# Allegro board hdk2_0-hmd-2-pvt-l8-0526p1530.brd (continued)
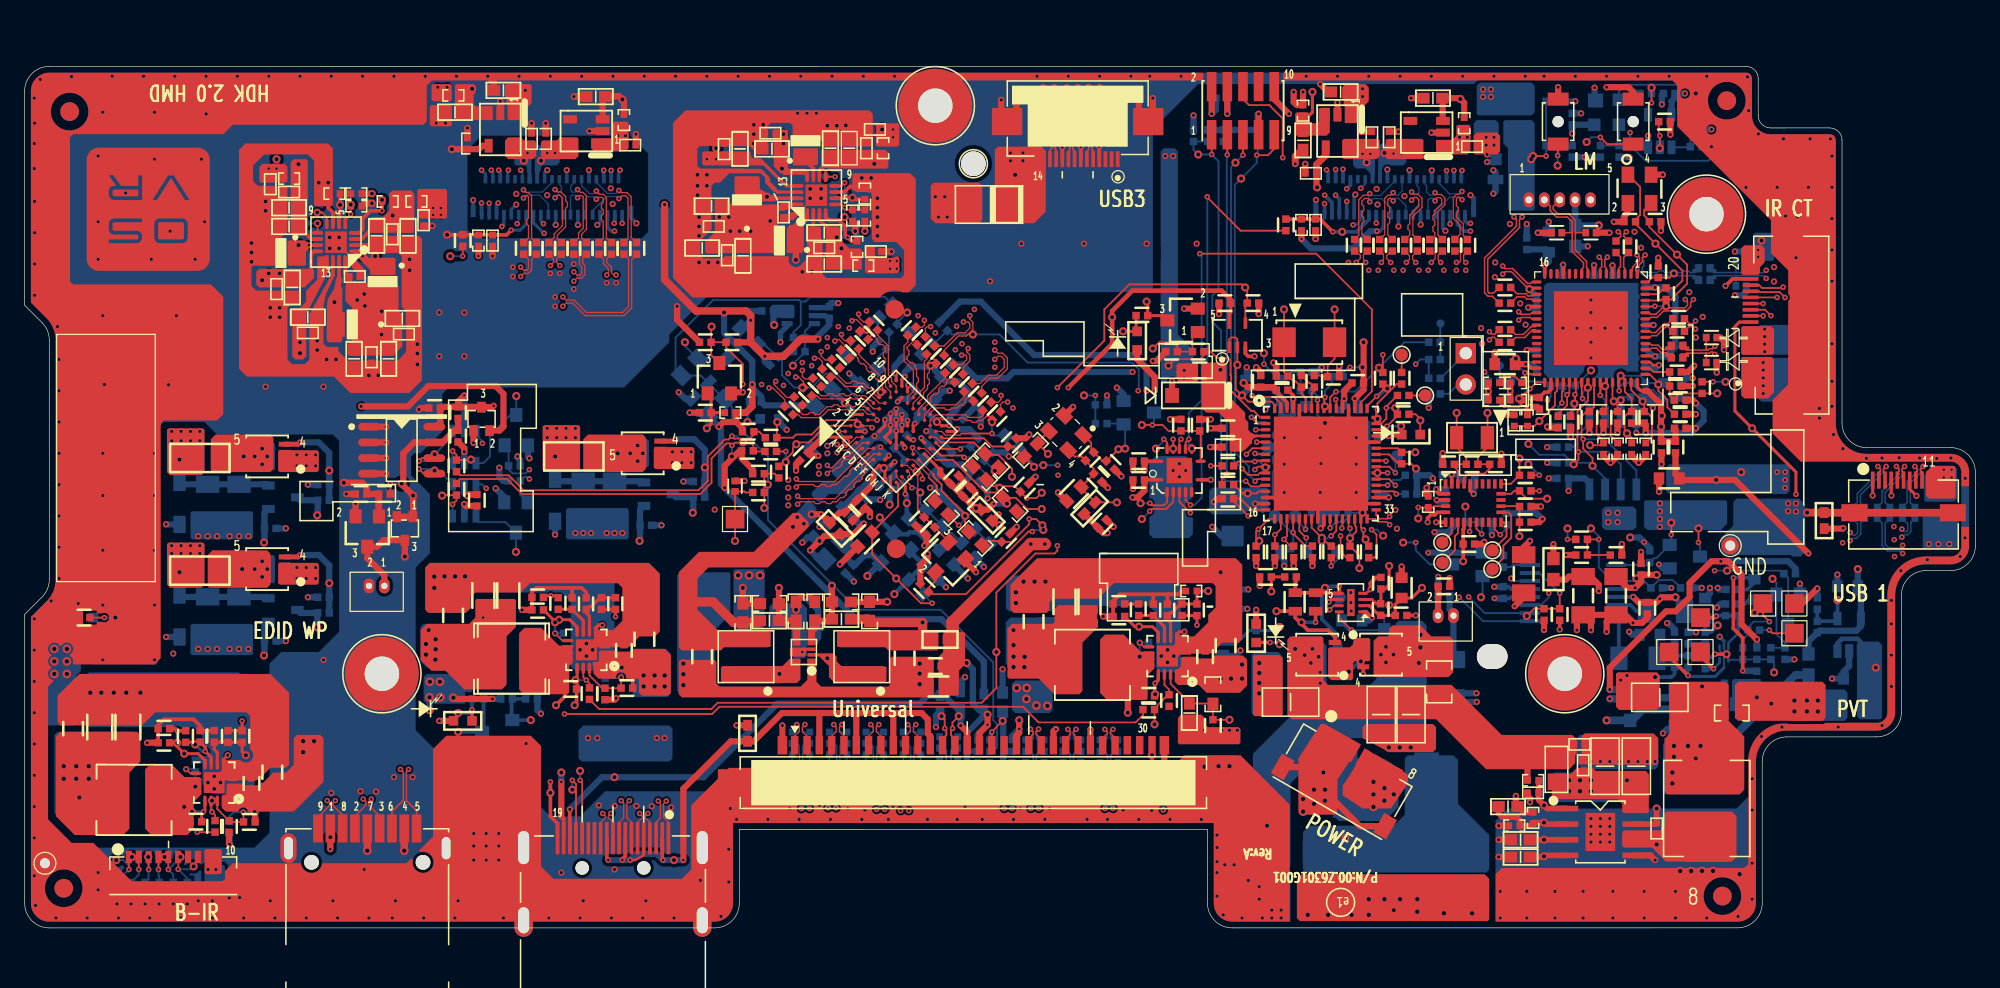
[diagram p0: board, top side]
## Routing (per net, layer and track width the routed paths; a pad name or vN(x,y) marks a point on that pad's centre or on a via; arc(x,y) is an arc through that point) (continued)
DET1_5V: length 88.4
  TOP w0.508: 57.73,41.12 58.25,40.59 R764.1 ; 57.73,41.12 R1154.2 ; 57.73,41.12 57.68,41.06 56.71,41.06 v4(56.33,40.68) ; v4(56.82,35.73) 56.82,37.51 58.04,38.73 R763.1 58.2,38.11 59.09,37.22 R765.1 ; D11.1 v4(36.43,39.37)
  TOP w0.559: v4(59.05,44.11) 59.05,42.33 58.54,41.83 R1154.2
  L4_IN2 w0.508: v4(56.82,35.73) 56.18,35.1 39.87,35.1 36.43,38.54 v4(36.43,39.37)
  BOTTOM w0.508: R745.1 60.07,42.42 R781.2 59.78,43.13 59.05,43.86 v4(59.05,44.11) 59.05,46.02 56.77,48.3 v1(56.77,49.95) 56.89,50.08 R770.1 ; FB4.2 77.85,21.63 74.42,25.06 67.46,25.06 56.82,35.71 v4(56.82,35.73) 56.51,36.04 56.51,40.51 v4(56.33,40.68) 56.33,40.7 55.47,41.56 R743.2
EDID_SW: length 9.5
  TOP w0.152: U111.1 97.77,47.78 97.91,47.92 98.29,47.92 98.42,47.8 98.42,47.13 U111.2 98.42,45.7 v1(98.42,45.7) 98.29,45.57 98.29,43.73 99.31,42.72 101.2,42.72 101.45,42.46 U12.64
EN_1_8V: length 47.7
  TOP w0.152: v4(48.41,20.34) R127.1 48.4,19.46 C72.2 46.87,19.46 45.84,20.49 U16.15 ; R25.2 v2(14.01,7.77)
  L4_IN2 w0.152: v4(48.41,20.34) 46.52,18.46 40.89,18.46 38.78,16.35 26.8,16.35 22.72,12.27 18.7,12.27 14.2,7.77 v2(14.01,7.77)
  BOTTOM w0.152: v1(48.46,21.13) 48.46,20.39 v4(48.41,20.34) 48.34,20.27 R197.2
EN_1V2: length 7.6
  TOP w0.152: U29.15 93.01,19.81 94.54,18.28 C838.2 96.41,18.22 R851.2 R210.2 v1(97.79,16.9)
EN_3_3V: length 84.4
  TOP w0.152: U4.15 15.63,9.66 C5.2 16.68,8.61 R19.1 17.77,9.37 v2(17.74,9.39) ; v2(43.81,17.37) 55.8,17.37 56.38,17.95 81.02,17.95 82.29,16.68 90.17,16.68 90.76,17.28 R202.2
  L6_IN3 w0.152: v2(17.74,9.39) 19.38,9.39 26.16,16.17 42.62,16.17 v2(43.81,17.37)
  BOTTOM w0.152: R196.2 16.63,9.06 16.96,9.39 v2(17.74,9.39) 17.75,9.4 v1(18.67,9.4)
ENV_INT: length 7.5
  TOP w0.152: v2(111.25,35.93) 110.75,36.44 U12.38 ; U41.4 114.4,34.24 114.3,34.13 R568.2 v2(113.1,34.13)
  L4_IN2 w0.152: v2(111.25,35.93) 113.05,34.13 v2(113.1,34.13)
  BOTTOM w0.152: v2(113.1,34.13) v1(113.1,33.24)
FPGA2DAC_PCS: length 9.1
  TOP w0.152: v2(127.76,31.54) R85.1 R331.2 R340.1
  BOTTOM w0.152: U36.10 128.2,28.82 127.76,29.25 v2(127.76,31.54) 127.76,31.79 v1(127.12,32.43)
GPIO8: length 4.8
  TOP w0.152: U46.36 124.87,43.64 124.76,43.53 v2(124.76,42.61)
  BOTTOM w0.152: v1(125.78,42.56) 125.78,42.03 R582.1 R572.2 124.48,42.33 v2(124.76,42.61)
GPIO9: length 5.9
  TOP w0.152: U46.35 124.37,43.6 124.2,43.43 124.2,42.41 v1(122.93,41.14) 122.53,40.73 R583.1 R573.2
GPIO10: length 6.3
  TOP w0.152: U46.33 122.69,44.27 v2(122.17,43.76) 121.48,43.07 R578.1 121.48,42.54 121.26,42.31 120.04,42.31 119.71,42.64 R574.2
  BOTTOM w0.152: v1(121.28,42.97) 122.07,43.76 v2(122.17,43.76)
GPIO11: length 5.8
  TOP w0.152: U46.32 122.19,44.93 122.05,45.07 v2(121.76,45.07) 121.76,44.37 121.64,44.24 R579.1 121.13,44.6 121.13,44.6 120.96,44.77 120.04,44.77 119.71,44.44 R575.2
  BOTTOM w0.152: v2(121.76,45.07) 121.03,45.81 v1(121.03,46.22)
HDMI_A_INT: length 40.7
  TOP w0.152: v2(81.78,32.17) 81.48,32.17 76.4,27.09 73.53,27.09 R1152.2 73.35,27.6 73.93,28.18 73.93,28.89 ; U12.28 106.95,32.5 v2(106.9,32.45)
  L3_IN1 w0.152: v2(106.9,32.45) 105.93,33.42 100.3,33.42 99.21,32.33 98.73,32.33 97.96,31.57 85.06,31.57 84.45,32.17 v2(81.78,32.17)
  BOTTOM w0.152: v2(81.78,32.17) 81.91,32.3 v1(82.67,32.3)
HDMI_A_SCL: length 24.2
  TOP w0.102: U57.K4 72.87,36.79 v2(72.87,36.44)
  TOP w0.152: v2(91.33,34.48) 91.49,34.31 92.48,34.31 92.72,34.55 U55.2
  L4_IN2 w0.152: v2(91.33,34.48) 91.16,34.31 83.64,34.31 82.27,35.68 81.2,35.68 80.13,36.75 73.17,36.75 v2(72.87,36.44)
  BOTTOM w0.152: v2(91.33,34.48) v1(90.56,34.48)
HDMI_A_SDA: length 25.5
  TOP w0.102: v2(71.83,36.54) 71.83,36.91 U57.K3
  TOP w0.152: v2(91.31,33.83) 91.49,34 92.63,34 93.22,34.6 U55.3
  L4_IN2 w0.152: v2(91.31,33.83) 91.13,34 83.49,34 82.11,35.38 81.05,35.38 79.98,36.44 73.53,36.44 73.1,36.01 72.36,36.01 v2(71.83,36.54)
  BOTTOM w0.152: v2(91.31,33.83) v1(90.67,33.19)
HDMI_D5V: length 57.3
  TOP w0.152: C1112.2 R1153.2 56.93,47.12 58.29,45.76 v2(58.29,44.14) ; C1112.2 55.71,48.77 v1(55.75,48.81) ; C1112.2 55.71,46.53 Q42.3 ; v2(99.56,41.45) 100.07,40.94 U12.2
  L4_IN2 w0.152: v2(99.56,41.45) 99.01,41.45 98.37,42.08 90.93,42.08 86.36,37.51 84.6,37.51 83.97,38.14 82.67,38.14 80.26,40.56 78.48,40.56 77.72,41.32 74.93,41.32 72.95,43.3 59.15,43.3 58.31,44.14 v2(58.29,44.14)
  BOTTOM w0.152: v2(99.56,41.45) 99.95,41.06 100.71,41.06
HDMI_EDID_PWR: length 96.7
  TOP w0.305: U111.5 97.77,49.85 97.88,49.95 C1111.2
  TOP w0.381: C1111.2 97.88,51.01 97.15,51.73 89.91,51.73 88.26,50.08 v1(88.26,49.57) 88.26,47.41 v2(84.71,43.86)
  TOP w0.508: U65.8 33.4,40.68 33.74,41.03 C1009.2 33.83,42.3 R1087.1 ; R1087.1 35.18,42.72 v2(35.68,43.22) ; R1087.1 37.05,42.3 D11.3 37.95,42.27 v2(38.07,42.39) ; 35.95,35.08 36.05,35.18 C1010.2
  TOP w0.559: 35.95,35.08 v4(35.94,35.07)
  L3_IN1 w0.381: v2(84.71,43.86) 81.78,40.94 78.61,40.94 73.05,46.5 69.92,46.5 66.42,43 64.13,43 63.67,42.54 38.22,42.54 v2(38.07,42.39)
  L4_IN2 w0.61: v2(38.07,42.39) 37.23,43.22 v2(35.68,43.22) 35.68,41.22 33.96,39.49 33.96,37.81 35.94,35.83 v4(35.94,35.07)
  BOTTOM w0.508: v2(35.68,43.22) U64.5
  BOTTOM w0.559: U66.5 35.68,35.32 v4(35.94,35.07)
HDMI_EDID_SW: length 84.2
  TOP w0.152: U111.4 99.07,50.57 R1146.1 99.22,51.82 v1(99.06,51.99) 98.8,52.24 89.66,52.24 87.63,50.21 87.63,47.67 v2(83.82,43.86)
  L3_IN1 w0.152: v2(83.82,43.86) 81.4,41.45 78.86,41.45 73.35,46.96 69.77,46.96 66.42,43.6 63.98,43.6 63.37,43 37.73,43 37.16,42.42 v2(37.16,39.34) 37.16,35.98 v2(37.46,35.68)
  BOTTOM w0.152: U66.6 37.13,36.01 v2(37.46,35.68) ; v2(37.16,39.34) 37.16,39.49 36.63,40.01 U64.6
HDMI_HDPHN_LEFT: length 3.4
  TOP w0.305: v2(137.07,21.04) 137.05,21.04 136.01,22.08 TP42.1
  BOTTOM w0.203: v2(137.07,21.04) 137.56,21.53 U33.5
  BOTTOM w0.305: R235.2 v2(137.07,21.04)
HDMI_HDPHN_RIGHT: length 8.3
  TOP w0.305: TP39.1 133.47,22.01 v2(135,20.49)
  BOTTOM w0.152: U33.1 137.56,22.52 137.92,22.17 137.92,21.13
  BOTTOM w0.254: R259.2 v2(135,20.49) 135.07,20.41 137.21,20.41 137.92,21.13
HDMI_HPD: length 44.1
  TOP w0.152: v2(110.23,46.53) R62.2
  L3_IN1 w0.152: v2(90.37,43.6) 90.37,43.27 90.8,42.84 98.27,42.84 99.34,43.91 104.37,43.91 104.82,44.37 108.94,44.37 110.23,45.66 v2(110.23,46.53)
  BOTTOM w0.152: v2(90.37,43.6) 90.42,43.66 90.42,45.36 89.89,45.89 81.4,45.89 79.12,48.18 v1(76.96,48.18) 75.26,48.18 74.95,48.48 R1156.2 73.85,47.46 D16.1
HDMI_INT: length 8.1
  TOP w0.102: U57.J3 71.64,37.54 72.49,36.7 72.49,35.58
  TOP w0.152: 72.49,35.58 72.49,33.83 R795.2 73.05,33.32 R1151.2 74.74,31.63 Q41.3
HOTPLUG_DET1: length 4.2
  BOTTOM w0.152: v1(53.59,47.54) 53.59,47.24 R746.2 54.75,46.29 57.04,46.29
HOTPLUG_DET1_R: length 72.1
  BOTTOM w0.152: 62.99,50.84 62.99,48.94 62.39,48.34 R1149.2 ; 62.99,50.84 62.86,50.97 55.88,50.97 52.83,47.92 52.83,45.31 R746.1 54.89,44.84 ESD22.1 55.49,44.22 R743.1 57.4,42.31 57.4,41.19 60.32,38.27 v1(60.32,35.98) 60.32,33.11 67.61,25.82 74.34,25.82 78.61,21.55 78.61,16.86 78.91,16.55 78.91,14.65 78.61,14.34 R611.2 ; 62.99,50.84 63.37,50.84 63.75,51.22 69.8,51.22 R1155.2
HOTPLUG_DET1_R_A: length 3.1
  TOP w0.152: v1(79.37,16.81) 78.5,15.93 v2(78.5,15.9) J1.17
  BOTTOM w0.152: v2(78.5,15.9) 78.3,15.71 R611.1
HOTPLUG_DET1_R_B: length 43.1
  TOP w0.305: J28.19 43.25,8.48 42.67,9.06 v2(42.67,11.85)
  L4_IN2 w0.305: v2(78.13,12.79) 77.42,13.51 73.78,13.51 73.02,12.74 55.11,12.74 54.86,13 43.81,13 v2(42.67,11.85)
  BOTTOM w0.305: v1(42.67,10.97) v2(42.67,11.85) ; R630.2 78.3,12.97 v2(78.13,12.79)
IOVCC_COM_L: length 14.4
  TOP w0.508: R700.1 v2(36.83,54.53)
  L3_IN1 w0.508: v2(42.11,57.17) 40.97,56.03 38.33,56.03 v2(36.83,54.53)
  L6_IN3 w0.508: v2(42.11,57.17) 41.78,57.5 41.78,59.99 43.05,61.26 v2(43.05,62.91)
  BOTTOM w0.254: v2(42.11,57.17) 41.9,57.38 J20.17
  vias: v1(41.91,62.27) v2(42.41,62.91)
IOVCC_COM_R: length 19
  TOP w0.508: R825.1 v2(103.63,55.92)
  L6_IN3 w0.508: v2(109.75,56.56) 110.11,56.56 111.5,57.96 112.39,57.96 113.41,58.97 113.41,61.77 112.32,62.86 v2(111.73,62.86)
  BOTTOM w0.305: J71.17 110.3,56.88 109.98,56.56 v2(109.75,56.56)
  BOTTOM w0.508: v2(103.63,55.92) 104.39,55.16 107.82,55.16 109.22,56.56 v2(109.75,56.56)
  vias: v1(110.36,62.91) v2(111.1,62.86)
LCD1_CLKN_L: length 49.8
  TOP w0.104: v2(64.1,46.24) 64.46,46.24 64.74,45.97 R1110.2 ; R1130.2 45.58,54.69 45.28,54.4 45.28,53.94 45.46,53.76 45.46,53.02 45.19,52.75 44.82,52.75 v2(44.57,52.5)
  L3_IN1 w0.097: v2(64.1,46.24) 64.1,46.6 63.67,47.03 62.1,47.03 61.72,46.65 60.85,46.65 60.47,47.03 59.41,47.03 58.78,46.4 56.74,46.4 56.62,46.27 46.73,46.27 46.48,46.02 41.17,46.02 40.89,46.29 40.89,46.89 41.17,47.16 45.59,47.16 45.72,47.29 45.72,47.67 45.59,47.8 41.17,47.8 40.89,48.07 40.89,48.68 41.14,48.94 45.21,48.94 45.46,49.19 45.46,52.64 45.36,52.75 44.82,52.75 v2(44.57,52.5)
LCD1_CLKN_T_COM_L: length 6.8
  TOP w0.104: R1130.1 45.58,55.63 45.21,56 45.21,56.3 45.59,56.69 45.59,59.43 45.31,59.71 45.1,59.71 v2(44.88,59.94)
  BOTTOM w0.104: v2(44.88,59.94) 44.67,59.73 44.45,59.73 44.32,59.86 44.32,60.24 44.6,60.52 J20.26
LCD1_CLKP_L: length 49.7
  TOP w0.104: R1131.1 44.74,54.69 45.03,54.4 45.03,53.84 45.21,53.66 45.21,53.13 45.08,53 44.83,53 v2(44.57,53.26) ; v2(64.64,46.78) 64.64,46.43 64.97,46.09 65.45,46.09 R1111.2
  L3_IN1 w0.097: v2(64.64,46.78) 64.28,46.78 63.78,47.29 61.99,47.29 61.61,46.91 60.96,46.91 60.58,47.29 59.31,47.29 58.67,46.65 56.64,46.65 56.51,46.53 46.63,46.53 46.37,46.27 41.27,46.27 41.14,46.4 41.14,46.78 41.27,46.91 45.69,46.91 45.97,47.18 45.97,47.77 45.69,48.05 41.27,48.05 41.14,48.18 41.14,48.58 41.25,48.68 45.31,48.68 45.72,49.09 45.72,52.75 45.46,53 44.83,53 v2(44.57,53.26)
LCD1_CLKP_T_COM_L: length 6.8
  TOP w0.104: R1131.2 44.95,56.01 44.95,56.41 45.34,56.79 45.34,59.32 45.2,59.45 45.05,59.45 v2(44.88,59.28)
  BOTTOM w0.104: v2(44.88,59.28) 44.67,59.48 44.42,59.48 44.3,59.36 J20.25
LCD1_DATAN0_L: length 49.2
  TOP w0.104: R1114.2 68.07,49.19 67.69,49.57 v2(67.69,49.83) ; R1127.1 46.99,54.31 46.99,53.91 47.37,53.53 47.37,53.13 v2(47.25,53)
  L3_IN1 w0.097: v2(67.69,49.83) 67.33,49.83 66.95,50.21 53.59,50.21 52.57,49.19 47.73,49.19 47.62,49.3 47.62,49.72 47.73,49.83 52.04,49.83 52.32,50.1 52.32,50.72 52.07,50.97 47.73,50.97 47.62,51.08 47.62,51.48 47.75,51.61 50.52,51.61 50.8,51.88 50.8,52.49 50.54,52.75 49,52.75 48.76,52.98 48.76,53.28 49,53.51 50.52,53.51 50.8,53.79 50.8,54.38 50.52,54.65 48.28,54.65 47.49,53.87 47.49,53.25 v2(47.25,53)
LCD1_DATAN0_T_COM_L: length 6.9
  TOP w0.104: R1127.2 46.62,55.63 46.96,55.97 46.96,57.35 46.81,57.5 46.81,57.81 46.96,57.96 46.96,58.27 46.81,58.42 46.81,58.74 46.96,58.89 46.96,59.2 46.86,59.3 46.55,59.3 46.4,59.15 v2(46.4,59.15)
  BOTTOM w0.104: J20.29 45.5,59.14 45.72,59.35 46.2,59.35 v2(46.4,59.15)
LCD1_DATAN1_L: length 49.7
  TOP w0.104: R1132.1 42.92,54.31 42.92,54.01 v2(42.67,53.76) ; v2(66.29,48.18) 66.29,47.92 66.54,47.67 R1112.2
  L3_IN1 w0.097: v2(66.29,48.18) 65.93,48.18 65.53,48.58 65.53,48.94 65.15,49.32 63.88,49.32 63.5,48.94 63.5,48.3 63.37,48.18 62.99,48.18 62.86,48.3 62.86,49.07 62.61,49.32 61.97,49.32 61.72,49.07 61.72,48.56 61.59,48.43 59.03,48.43 58.14,49.32 54.1,49.32 53.84,49.07 53.84,48.43 54.1,48.18 57.68,48.18 57.78,48.07 57.78,47.67 57.65,47.54 53.46,47.54 53.34,47.67 53.34,48.05 53.08,48.3 52.45,48.3 52.19,48.05 52.19,47.54 52.07,47.41 51.69,47.41 51.56,47.54 51.56,48.05 51.3,48.3 50.69,48.3 50.42,48.03 50.42,47.52 50.31,47.41 49.91,47.41 49.78,47.54 49.78,48.05 49.53,48.3 48.91,48.3 48.64,48.03 48.64,47.54 48.51,47.41 48,47.41 47.88,47.54 47.88,48.05 47.62,48.3 46.78,48.3 46.61,48.48 46.61,54.15 46.1,54.65 43.07,54.65 42.8,54.38 42.8,53.89 v2(42.67,53.76)
LCD1_DATAN1_T_COM_L: length 7
  TOP w0.104: R1132.2 42.97,56.06 42.97,56.33 43.65,57.01 43.65,59.26 43.41,59.5 43.27,59.5 v2(43.05,59.28)
  BOTTOM w0.104: J20.23 43.7,58.29 43.6,58.39 43.6,59.34 43.48,59.45 43.22,59.45 v2(43.05,59.28)
LCD1_DATAN2_L: length 48.2
  TOP w0.104: v2(62.58,44.72) 62.81,44.72 63.22,44.32 R1108.2 ; v2(43.68,50.46) 43.94,50.72 44.47,50.72 45.48,49.7 48.64,49.7 49.27,50.34 49.27,54.27 49.65,54.65 R1126.2
  L3_IN1 w0.097: v2(43.68,50.46) 43.91,50.69 44.45,50.69 44.57,50.56 44.57,49.95 44.45,49.83 42.67,49.83 42.41,50.08 42.41,50.97 42.16,51.22 41.42,51.22 41.14,50.95 41.14,49.96 41.01,49.83 40.38,49.83 39.87,49.32 39.87,45.76 40.51,45.13 56.89,45.13 57.27,45.51 62.12,45.51 62.58,45.05 v2(62.58,44.72)
LCD1_DATAN2_T_COM_L: length 7.7
  TOP w0.104: R1126.1 49.22,56.06 49.22,59.35 48.89,59.68 48.41,59.68 v2(48.23,59.86)
  BOTTOM w0.104: v2(48.23,59.86) 47.99,59.62 47.3,59.62 46.55,60.37 46.4,60.52 J20.32
LCD1_DATAN3_L: length 46.9
  TOP w0.104: R1106.2 61.69,42.87 60.73,43.83 v2(60.42,43.83) ; v2(40.26,52.88) 40.5,53.13 40.87,53.13 41.14,53.41 41.14,54.27 41.53,54.65 R1134.2
  L3_IN1 w0.097: v2(60.42,43.83) 60.42,44.19 59.99,44.62 57.78,44.62 57.4,44.24 40,44.24 38.86,45.38 38.86,50.97 38.73,51.1 38.33,51.1 38.22,50.99 38.22,49.07 37.92,48.76 37.39,48.76 37.08,49.07 37.08,51.72 37.6,52.24 41.55,52.24 41.78,52.47 41.78,52.9 41.55,53.13 40.5,53.13 v2(40.26,52.88)
LCD1_DATAN3_T_COM_L: length 7.8
  TOP w0.104: R1134.1 41.51,55.63 41.14,56 41.14,59.43 40.89,59.69 40.71,59.69 v2(40.48,59.91)
  BOTTOM w0.104: v2(40.48,59.91) 40.66,59.73 42.01,59.73 42.8,60.52 J20.20
LCD1_DATAP0_L: length 49.2
  TOP w0.104: v2(48,53) 47.81,53 47.62,53.19 47.62,53.64 47.24,54.02 47.24,54.31 R1128.2 ; R1115.2 68.07,48.71 68.07,48.83 67.53,49.37 67.23,49.37 v2(67.15,49.29)
  L3_IN1 w0.097: v2(48,53) 47.75,53.26 47.75,53.76 48.38,54.4 50.42,54.4 50.54,54.27 50.54,53.89 50.42,53.76 48.89,53.76 48.51,53.38 48.51,52.88 48.89,52.49 50.44,52.49 50.54,52.39 50.54,51.99 50.42,51.86 47.64,51.86 47.37,51.58 47.37,50.97 47.62,50.72 51.96,50.72 52.07,50.61 52.07,50.21 51.94,50.08 47.62,50.08 47.37,49.83 47.37,49.19 47.62,48.94 52.68,48.94 53.7,49.95 66.85,49.95 67.15,49.65 v2(67.15,49.29)
LCD1_DATAP0_T_COM_L: length 6.9
  TOP w0.104: R1128.1 47.61,55.63 47.21,56.03 47.21,59.3 46.96,59.56 46.65,59.56 v2(46.4,59.81)
  BOTTOM w0.104: v2(46.4,59.81) 46.2,59.61 45.84,59.61 45.2,60.25 J20.28
LCD1_DATAP1_L: length 49.7
  TOP w0.104: v2(65.75,47.64) 65.87,47.76 66.1,47.76 66.54,47.31 66.54,47.19 R1113.2 ; R1133.2 43.18,54.31 43.18,54.02 v2(43.43,53.76)
  L3_IN1 w0.097: v2(43.43,53.76) 43.3,53.76 43.05,54.02 43.05,54.27 43.18,54.4 45.99,54.4 46.35,54.04 46.35,48.38 46.68,48.05 47.52,48.05 47.62,47.94 47.62,47.44 47.9,47.16 48.62,47.16 48.89,47.44 48.89,47.92 49.02,48.05 49.42,48.05 49.53,47.94 49.53,47.44 49.8,47.16 50.42,47.16 50.67,47.41 50.67,47.92 50.8,48.05 51.2,48.05 51.3,47.94 51.3,47.44 51.58,47.16 52.17,47.16 52.45,47.44 52.45,47.94 52.55,48.05 52.98,48.05 53.08,47.94 53.08,47.56 53.36,47.29 57.76,47.29 58.04,47.56 58.04,48.18 57.78,48.43 54.2,48.43 54.1,48.54 54.1,48.96 54.2,49.07 58.04,49.07 58.92,48.18 61.7,48.18 61.97,48.45 61.97,48.96 62.08,49.07 62.5,49.07 62.61,48.96 62.61,48.2 62.88,47.92 63.47,47.92 63.75,48.2 63.75,48.83 63.98,49.07 65.04,49.07 65.27,48.83 65.27,48.48 65.75,48 v2(65.75,47.64)
LCD1_DATAP1_T_COM_L: length 7
  TOP w0.104: v2(43.05,59.94) 43.23,59.75 43.52,59.75 43.91,59.36 43.91,59.02 44.06,58.87 44.06,58.56 43.91,58.41 43.91,56.91 43.23,56.23 43.23,55.96 R1133.1
  BOTTOM w0.104: v2(43.05,59.94) 43.27,59.71 43.46,59.71 43.56,59.81 43.56,60.21 43.4,60.37 J20.22
LCD1_DATAP2_L: length 48.2
  TOP w0.104: R1129.1 49.02,54.31 49.02,50.44 48.53,49.95 45.59,49.95 44.57,50.97 43.94,50.97 v2(43.68,51.22) ; R1109.2 63.92,44.57 63.32,44.57 63.12,44.78 v2(63.12,45.26)
  L3_IN1 w0.097: v2(63.12,45.26) 62.73,45.26 62.23,45.76 57.17,45.76 56.79,45.38 40.61,45.38 40.13,45.87 40.13,49.21 40.49,49.57 41.11,49.57 41.4,49.86 41.4,50.84 41.53,50.97 42.06,50.97 42.16,50.87 42.16,49.98 42.56,49.57 44.55,49.57 44.83,49.85 44.83,50.67 44.55,50.95 43.96,50.95 v2(43.68,51.22)
LCD1_DATAP2_T_COM_L: length 7.7
  TOP w0.104: v2(48.23,59.2) 48.46,59.43 48.79,59.43 48.97,59.25 48.97,55.96 R1129.2
  BOTTOM w0.104: J20.31 46.1,58.21 47.25,59.37 48.06,59.37 v2(48.23,59.2)
LCD1_DATAP3_L: length 46.9
  TOP w0.104: R1135.1 40.51,54.68 40.89,54.3 40.89,53.51 40.76,53.38 40.51,53.38 v2(40.26,53.64) ; R1107.2 62.41,43.06 61.86,43.06 60.83,44.09 60.83,44.24 v2(60.96,44.37)
  L3_IN1 w0.097: v2(60.96,44.37) 60.6,44.37 60.09,44.87 57.68,44.87 57.3,44.49 40.11,44.49 39.11,45.49 39.11,51.08 38.84,51.35 38.22,51.35 37.97,51.1 37.97,49.17 37.81,49.01 37.49,49.01 37.33,49.17 37.33,51.61 37.71,51.99 41.65,51.99 42.03,52.37 42.03,53 41.65,53.38 40.51,53.38 v2(40.26,53.64)
LCD1_DATAP3_T_COM_L: length 7.8
  TOP w0.104: v2(40.48,59.25) 40.66,59.43 40.79,59.43 40.89,59.33 40.89,57.63 40.74,57.48 40.74,57.16 40.89,57.01 40.89,56.01 R1135.2
  BOTTOM w0.104: v2(40.48,59.25) 40.71,59.48 41.78,59.48 42.5,58.76 J20.19
LCD2_CLKN_R: length 50.8
  TOP w0.104: R1140.2 113.03,54.93 112.65,54.55 112.65,54.27 v2(112.9,54.02) ; v2(76.04,46.5) 76.37,46.5 76.45,46.41 76.45,46.12 76.04,45.71 R1120.2
  L3_IN1 w0.097: v2(112.9,54.02) 112.65,53.77 112.65,52.77 111.15,51.28 87.96,51.28 87.63,50.95 87.63,49.34 87.35,49.07 86.1,49.07 85.98,48.94 85.98,48.43 86.1,48.3 87.35,48.3 87.63,48.03 87.63,47.31 87.35,47.03 81,47.03 80.77,46.8 80.77,45.66 79.86,44.75 77.97,44.75 76.4,46.32 76.22,46.5 v2(76.04,46.5)
LCD2_CLKN_T_COM_R: length 6.7
  TOP w0.104: v2(112.57,59.73) 112.57,59.73 112.75,59.56 113.08,59.56 113.41,59.23 113.41,58.49 112.67,57.75 112.67,56.24 R1140.1
  BOTTOM w0.102: 113,60.24 J71.26
  BOTTOM w0.104: v2(112.57,59.73) 112.77,59.53 113.02,59.53 113.15,59.67 113.15,60.09 113,60.24
LCD2_CLKP_R: length 50.8
  TOP w0.104: v2(112.14,54.02) 112.39,54.27 112.39,54.56 R1141.1 ; v2(76.58,47.03) 76.45,46.9 76.45,46.78 76.57,46.65 76.7,46.52 76.7,46.02 76.15,45.46 R1121.2
  L3_IN1 w0.097: v2(112.14,54.02) 112.39,53.77 112.39,52.88 111.05,51.53 87.85,51.53 87.37,51.05 87.37,49.45 87.25,49.32 86,49.32 85.72,49.04 85.72,48.33 86,48.05 87.25,48.05 87.37,47.92 87.37,47.41 87.25,47.29 80.9,47.29 80.51,46.91 80.51,45.76 79.75,45 78.08,45 76.55,46.53 76.55,47.01 v2(76.58,47.03)
LCD2_CLKP_T_COM_R: length 6.7
  TOP w0.104: R1141.2 112.05,55.89 112.42,56.25 112.42,56.57 112.27,56.72 112.27,57.03 112.42,57.18 112.42,57.85 113.15,58.59 113.15,59.12 112.97,59.3 112.79,59.3 v2(112.57,59.07)
  BOTTOM w0.102: 112.9,58.46 112.7,58.26 J71.25
  BOTTOM w0.104: 112.9,58.46 113.13,58.69 113.13,59.15 113,59.28 112.77,59.28 v2(112.57,59.07)
LCD2_DATAN0_R: length 49.6
  TOP w0.104: v2(79.24,43.22) 79.24,42.9 79.02,42.67 R1124.2 ; R1137.1 114.26,54.95 114.47,54.73 114.47,54.32 v2(114.17,54.02)
  L3_IN1 w0.097: v2(79.24,43.22) 79.65,43.22 82.7,46.27 88.01,46.27 88.52,46.78 88.52,49.72 89.25,50.46 91.94,50.46 92.33,50.08 92.33,49.57 91.94,49.19 91.08,49.19 90.93,49.04 90.93,48.59 91.08,48.43 93.87,48.43 96.11,50.67 111.96,50.67 114.42,53.13 114.42,53.77 v2(114.17,54.02)
LCD2_DATAN0_T_COM_R: length 6.7
  TOP w0.104: v2(114.47,59.02) 114.47,59.15 114.61,59.28 114.88,59.28 115.01,59.15 115.01,58.79 114.45,58.24 114.45,57.98 114.3,57.83 114.3,57.51 114.45,57.36 114.45,57.05 114.3,56.9 114.3,56.59 114.45,56.44 114.45,56.09 114.25,55.89 R1137.2
  BOTTOM w0.102: J71.29 113.9,58.46
  BOTTOM w0.104: 113.9,58.46 113.9,59.08 114.04,59.23 114.27,59.23 v2(114.47,59.02)
LCD2_DATAN1_R: length 50.8
  TOP w0.104: R1142.1 110.91,54.95 110.54,54.58 110.54,54.35 v2(110.87,54.02) ; v2(78.74,46.15) 78.99,46.4 79.27,46.4 79.5,46.17 79.5,45.49 78.89,44.87 78.23,44.87 77.54,44.19 R1122.2
  L3_IN1 w0.097: v2(110.87,54.02) 110.62,53.77 110.62,52.75 110,52.14 86.87,52.14 86.48,51.75 86.48,50.72 85.85,50.08 81.52,50.08 81.28,49.84 81.28,49.56 81.52,49.32 84.46,49.32 84.83,48.95 84.83,48.42 84.46,48.05 80.04,48.05 79.75,47.77 79.75,46.78 79.37,46.4 78.99,46.4 v2(78.74,46.15)
LCD2_DATAN1_T_COM_R: length 6.3
  TOP w0.104: R1142.2 110.64,56.24 110.64,57.11 110.79,57.26 110.79,57.57 110.64,57.72 110.64,58.03 110.79,58.18 110.79,58.49 110.64,58.64 110.64,59.12 110.74,59.23 110.87,59.23 v2(111.07,59.02)
  BOTTOM w0.102: 112.1,58.46 J71.23
  BOTTOM w0.104: v2(111.07,59.02) 111.27,59.23 111.5,59.23 112.1,58.63 112.1,58.46
LCD2_DATAN2_R: length 49.5
  TOP w0.104: R1136.2 116.42,54.95 116.53,54.83 116.53,54.12 116.43,54.02 v2(116.21,54.02) ; R1118.2 74.62,47.24 75.68,48.3 76.32,48.3 76.7,48.68 76.7,49.07 76.64,49.13 76.58,49.19 v2(76.2,49.19)
  L3_IN1 w0.097: v2(76.2,49.19) 76.6,49.19 76.85,48.94 77.34,48.94 82.29,53.89 106.17,53.89 107.06,54.78 116.33,54.78 116.46,54.65 116.46,54.27 v2(116.21,54.02)
LCD2_DATAN2_T_COM_R: length 7.4
  TOP w0.104: R1136.1 116.51,56.32 116.51,57.04 115.95,57.6 115.95,59.28 116.22,59.55 116.43,59.55 v2(116.66,59.78)
  BOTTOM w0.102: 114.93,60.29 114.8,60.42 J71.32
  BOTTOM w0.104: 114.93,60.29 115.64,59.58 116.46,59.58 v2(116.66,59.78)
LCD2_DATAN3_R: length 48.5
  TOP w0.104: R1144.2 108.06,54.95 108.4,54.6 108.4,54.34 v2(108.08,54.02) ; v2(73.02,49.32) 73.02,48.94 72.85,48.76 R1116.2
  L3_IN1 w0.097: v2(73.02,49.32) 73.4,49.32 74.16,50.08 74.67,50.08 75.05,49.7 75.05,48.43 75.38,48.1 77.64,48.1 80.77,51.22 84.96,51.22 85.12,51.39 85.12,51.82 84.96,51.99 82.78,51.99 82.42,52.35 82.42,52.88 82.8,53.26 108.07,53.26 108.33,53.51 108.33,53.77 v2(108.08,54.02)
LCD2_DATAN3_T_COM_R: length 7.2
  TOP w0.104: R1144.1 108.28,56.22 108.28,59.1 108.66,59.48 109.04,59.48 v2(109.17,59.61)
  BOTTOM w0.102: J71.20 111.2,60.62 110.82,60.24
  BOTTOM w0.104: 110.82,60.24 110.03,59.45 109.32,59.45 v2(109.17,59.61)
LCD2_DATAP0_R: length 49.6
  TOP w0.104: v2(114.93,54.02) 114.73,54.22 114.73,54.62 R1139.2 ; v2(79.78,42.69) 79.4,42.69 79.2,42.49 R1125.2
  L3_IN1 w0.097: v2(79.78,42.69) 79.78,43 82.8,46.02 88.11,46.02 88.77,46.67 88.77,49.62 89.36,50.21 91.84,50.21 92.07,49.98 92.07,49.68 91.84,49.45 90.98,49.45 90.67,49.14 90.67,48.48 90.98,48.18 93.98,48.18 96.21,50.41 112.07,50.41 114.68,53.02 114.68,53.77 v2(114.93,54.02)
LCD2_DATAP0_T_COM_R: length 6.7
  TOP w0.104: v2(114.47,59.68) 114.47,59.68 114.62,59.53 114.98,59.53 115.26,59.25 115.26,58.69 114.7,58.13 114.7,56.24 R1139.1
  BOTTOM w0.102: 113.79,60.24 113.6,60.43 J71.28
  BOTTOM w0.104: v2(114.47,59.68) 114.27,59.48 114.04,59.48 113.79,59.73 113.79,60.24
LCD2_DATAP1_R: length 50.8
  TOP w0.104: R1123.2 77.67,43.96 78.33,44.62 78.99,44.62 79.75,45.38 79.75,46.27 79.37,46.65 78.99,46.65 v2(78.74,46.91) ; R1143.2 110.28,54.64 110.28,54.19 v2(110.11,54.02)
  L3_IN1 w0.097: v2(78.74,46.91) 78.99,46.65 79.27,46.65 79.5,46.89 79.5,47.87 79.93,48.3 84.36,48.3 84.58,48.52 84.58,48.85 84.36,49.07 81.41,49.07 81.02,49.46 81.02,49.95 81.41,50.34 85.74,50.34 86.23,50.82 86.23,51.86 86.76,52.39 109.9,52.39 110.36,52.86 110.36,53.77 v2(110.11,54.02)
LCD2_DATAP1_T_COM_R: length 6.3
  TOP w0.104: v2(111.07,59.68) 110.87,59.48 110.64,59.48 110.38,59.23 110.38,56.29 R1143.1
  BOTTOM w0.102: 111.8,60.24 J71.22
  BOTTOM w0.104: 111.8,60.24 111.8,59.83 111.45,59.48 111.27,59.48 v2(111.07,59.68)
LCD2_DATAP2_R: length 49.5
  TOP w0.104: v2(76.7,49.7) 76.7,49.43 76.96,49.17 76.96,48.58 76.43,48.05 75.79,48.05 74.62,46.88 R1119.2 ; R1138.1 117.09,54.91 116.79,54.6 116.79,54.2 v2(116.96,54.02)
  L3_IN1 w0.097: v2(76.7,49.7) 76.7,49.45 76.96,49.19 77.23,49.19 82.19,54.15 106.06,54.15 106.95,55.03 116.43,55.03 116.71,54.76 116.71,54.27 v2(116.96,54.02)
LCD2_DATAP2_T_COM_R: length 7.4
  TOP w0.104: R1138.2 116.76,56.22 116.76,57.14 116.2,57.7 116.2,58.01 116.35,58.16 116.35,58.48 116.2,58.63 116.2,59.17 116.33,59.3 116.48,59.3 v2(116.66,59.12)
  BOTTOM w0.102: J71.31 114.5,58.16 114.8,58.46
  BOTTOM w0.104: v2(116.66,59.12) 116.45,59.33 115.67,59.33 114.8,58.46
LCD2_DATAP3_R: length 48.5
  TOP w0.104: v2(108.84,54.02) 108.66,54.2 108.66,54.64 R1145.1 ; v2(73.53,48.81) 73.25,48.81 73.1,48.66 R1117.2
  L3_IN1 w0.097: v2(108.84,54.02) 108.58,53.77 108.58,53.41 108.18,53 82.9,53 82.67,52.77 82.67,52.46 82.89,52.24 85.06,52.24 85.38,51.92 85.38,51.28 85.06,50.97 80.87,50.97 77.75,47.85 75.28,47.85 74.8,48.33 74.8,49.6 74.57,49.83 74.27,49.83 73.53,49.09 v2(73.53,48.81)
LCD2_DATAP3_T_COM_R: length 7.2
  TOP w0.104: R1145.2 108.53,56.32 108.53,57.2 108.68,57.35 108.68,57.66 108.53,57.81 108.53,58.12 108.68,58.27 108.68,58.58 108.53,58.73 108.53,58.99 108.76,59.23 109.06,59.23 109.17,59.12 v2(109.17,58.95)
  BOTTOM w0.102: 110.87,58.46 110.9,58.43 J71.19
  BOTTOM w0.104: v2(109.17,58.95) 109.42,59.2 110.13,59.2 110.87,58.46
LED1: length 171.1
  TOP w0.152: v2(141.09,49.68) J68.12 ; J69.1 v2(8.46,4.74)
  L4_IN2 w0.152: v2(141.09,49.68) 141.78,49 141.78,43.2 138.17,39.59 138.17,32.9 139.59,31.48 139.59,28.39 138.22,27.02 136.78,27.02 135.99,26.23 122.4,26.23 121.69,25.52 117.32,25.52 111.96,20.16 106.09,20.16 104.19,18.26 88.95,18.26 88.16,17.47 81.4,17.47 80.39,18.48 73.02,18.48 72.28,19.22 53.82,19.22 52.75,18.15 41.02,18.15 38.91,16.05 26.92,16.05 22.85,11.97 18.85,11.97 14.17,7.28 11,7.28 v2(8.46,4.74)
  BOTTOM w0.152: v1(7.44,5.5) 8,5.5 8.51,5 8.51,4.79 v2(8.46,4.74) 7.49,3.77 C1003.2
LED2: length 170.9
  TOP w0.152: v2(141.73,49.7) 141.25,50.18 J68.13 ; J69.2 v2(9.26,4.74)
  L4_IN2 w0.152: v2(141.73,49.7) 142.08,49.35 142.08,43.07 138.48,39.46 138.48,33.04 139.9,31.61 139.9,28.26 138.35,26.71 136.9,26.71 136.09,25.9 122.51,25.9 121.82,25.22 117.45,25.22 112.07,19.84 106.21,19.84 104.32,17.95 89.07,17.95 88.29,17.16 81.28,17.16 80.27,18.17 72.91,18.17 72.16,18.92 53.95,18.92 52.88,17.85 41.17,17.85 39.06,15.74 27.05,15.74 22.97,11.66 18.99,11.66 14.3,6.98 11.5,6.98 v2(9.26,4.74)
  BOTTOM w0.152: v1(8.71,5.76) 9.26,5.21 v2(9.26,4.74) 9.26,4.32 C1004.2
